# Altium PCB KASLI-DIOT-CPU.PcbDoc (part 5 of 5)
Units mm, origin at the board's own origin, x right, y up, seen from the top; angles counter-clockwise.
Board outline 123.3 x 102 mm, 4 copper layers (Top Layer, Layer 1, Layer 2, Bottom Layer), stack 1.571 mm thick; 359 components, 345 nets, 1634 pads, 949 vias.
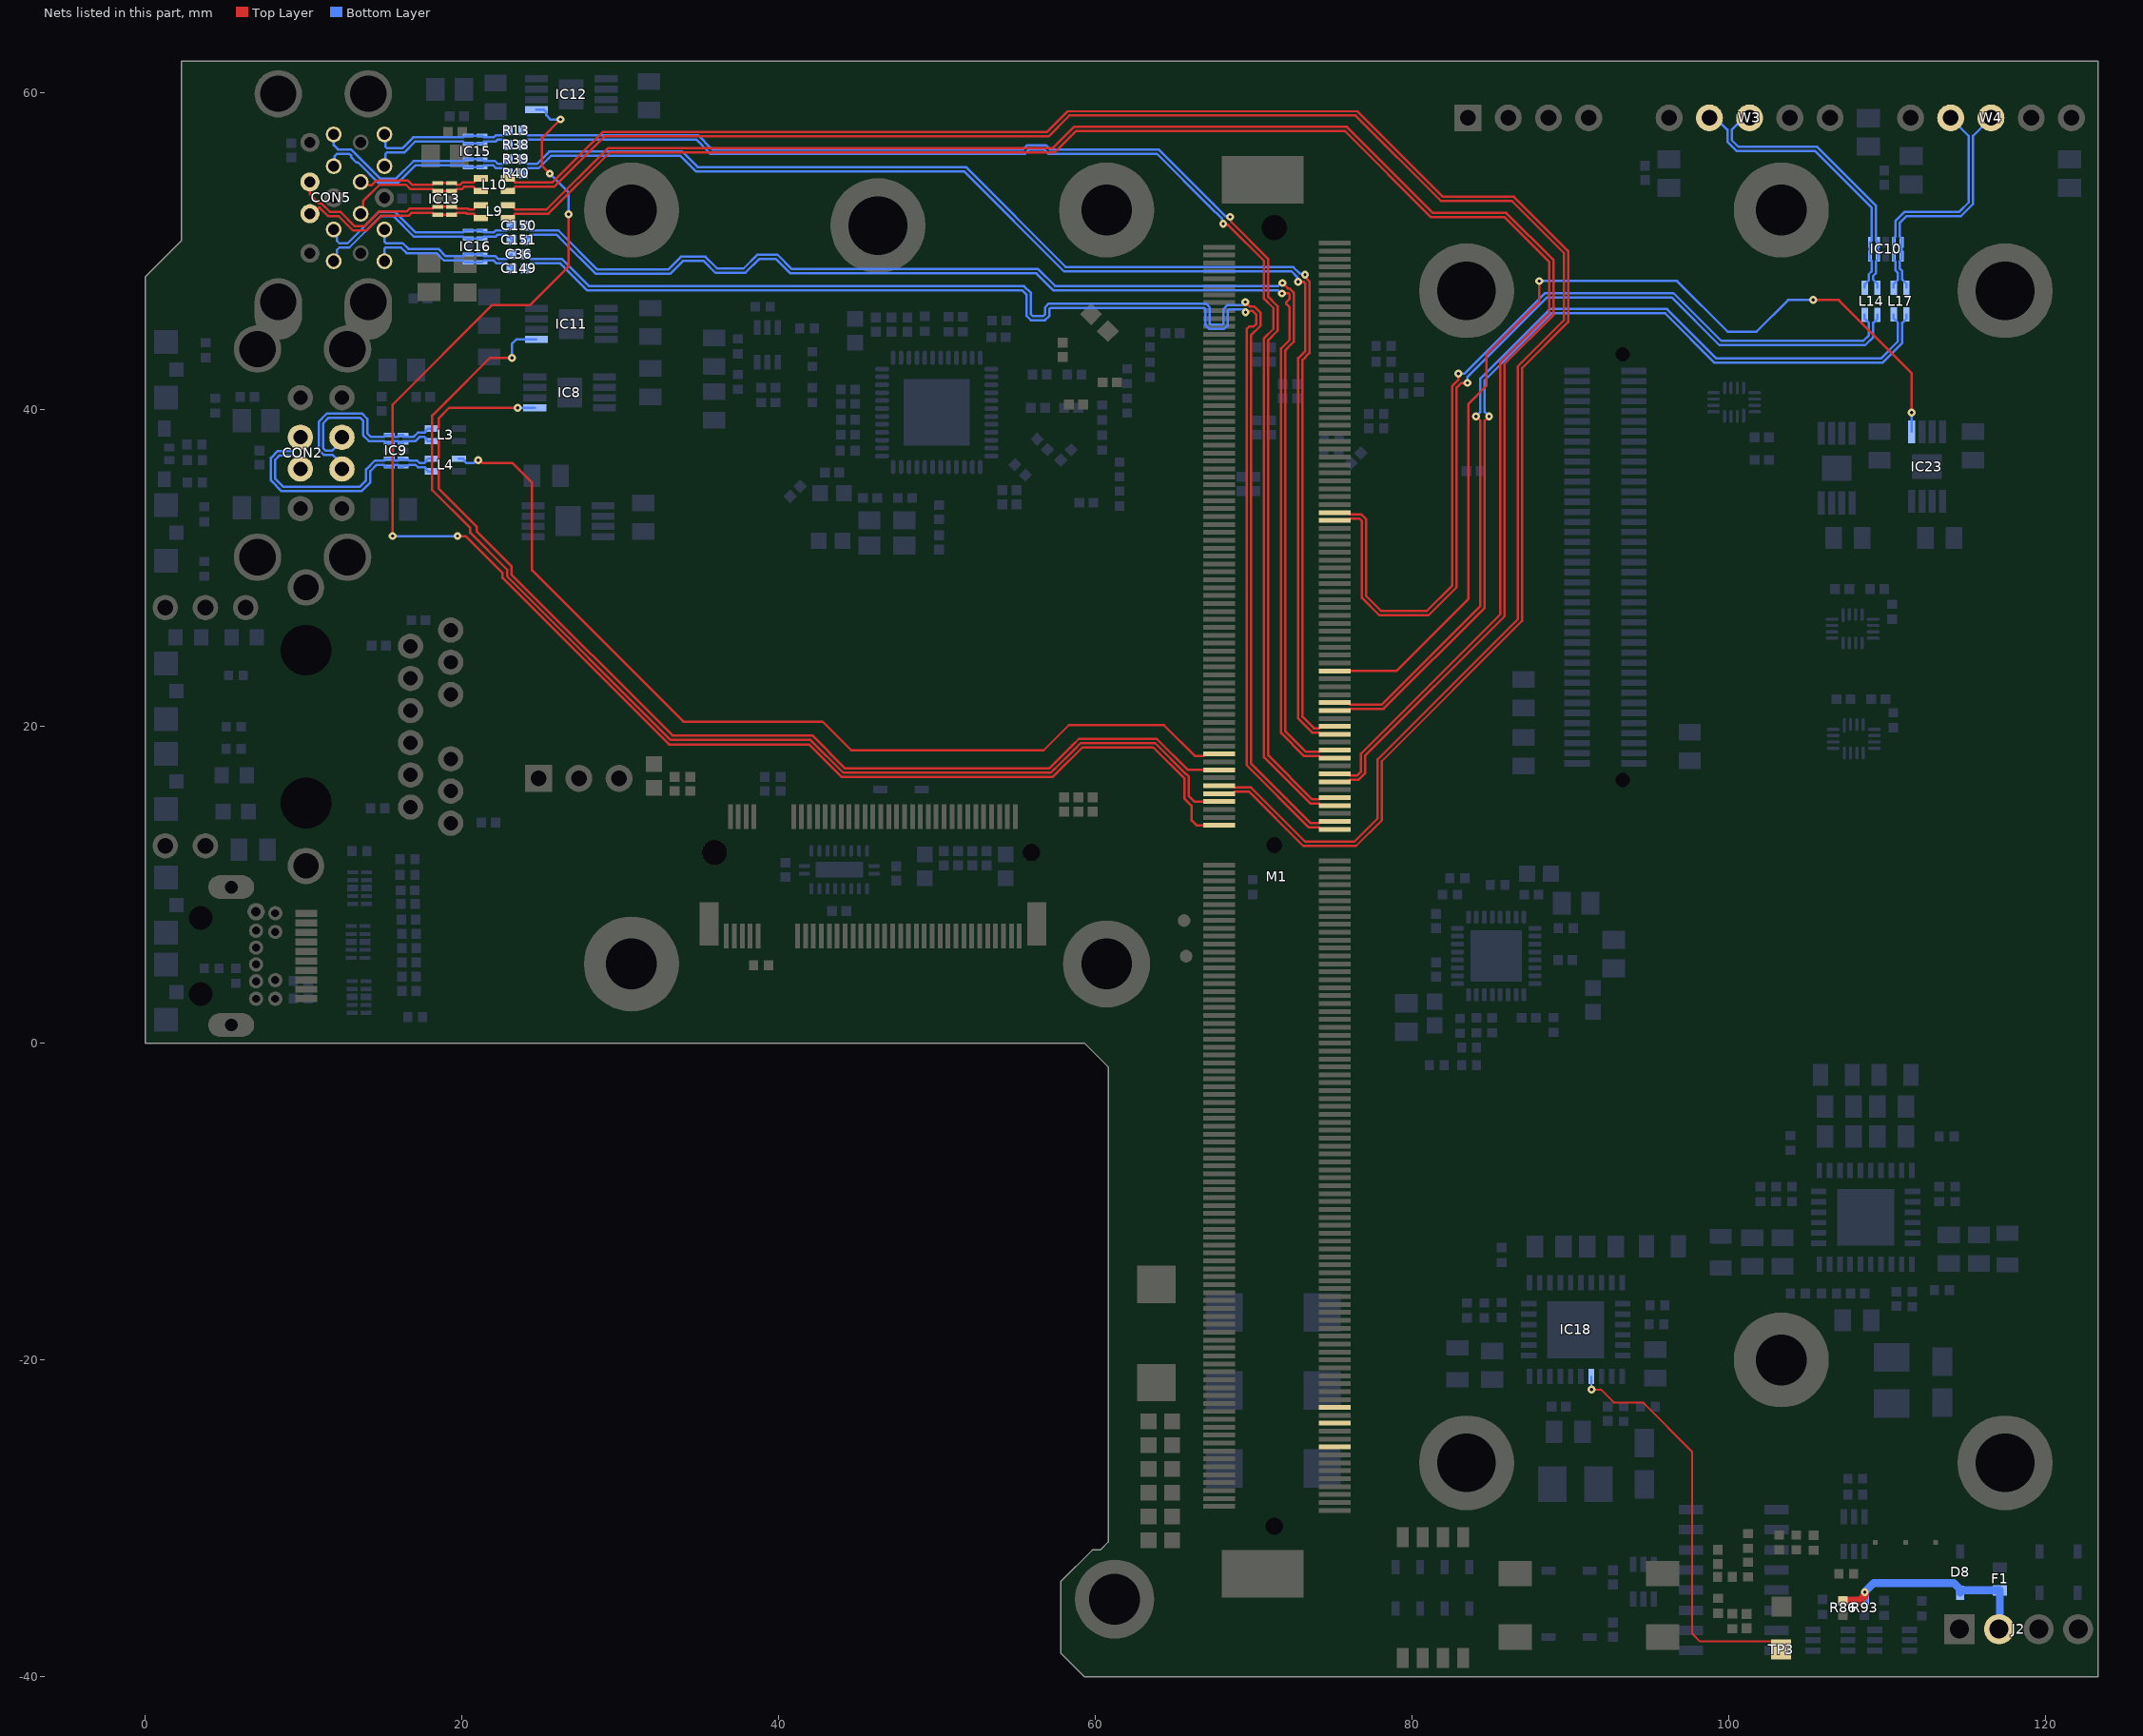
[diagram p7: the nets of this part, all layers, seen from the top]

## Via types
v1: diameter 0.5, hole 0.2, Top Layer to Bottom Layer, tented both sides, 514 vias
v2: diameter 0.5, hole 0.25, Top Layer to Bottom Layer, tented both sides, 262 vias
v3: diameter 0.5, hole 0.25, Top Layer to Bottom Layer, 130 vias
v4: diameter 0.5, hole 0.2, Top Layer to Bottom Layer, 43 vias

## Nets (pads, with @x,y where several pads share a name; then routed paths per layer and width w, separated by ;. In a path a pad name is that pad's centre, name@x,y a point inside that pad or via, vN(x,y) a via of type N, cw(c..) or ccw(c..) an arc to the next point about the centre after c; other vN are vias at no path point) (continued)
USB_1_OCn: IC8.5 M1.P67 | length 69.5
  Top Layer w0.15: v1(23.52,40.117) 19.191,40.117 18.52,39.446 18.52,35.017 20.92,32.617 20.92,32.317 23.12,30.117 23.12,29.594 33.288,19.427 42.11,19.427 44.196,17.341 57.066,17.341 58.542,18.817 58.556,18.817 58.947,19.208 63.871,19.208 65.829,17.25 M1.P67@67.8,17.25
  Bottom Layer w0.15: v1(23.52,40.117) 24.583,40.117 IC8.5@24.6,40.1
USB_1_P: L4.3 M1.P65 | length 60.5
  Top Layer w0.15: v1(21.02,36.812) 21.108,36.812 21.283,36.637 23.162,36.637 24.42,35.378 24.42,29.852 33.977,20.295 42.767,20.295 44.57,18.491 56.729,18.491 58.318,20.08 64.317,20.08 66.262,18.135 ; 66.27,18.135 66.835,18.135 66.95,18.25 M1.P65@67.8,18.25
  Bottom Layer w0.15: L4.3@19.8,36.9 20.05,36.9 20.175,36.775 20.175,36.723 20.263,36.635 20.445,36.635 20.447,36.637 20.757,36.637 20.932,36.812 v1(21.02,36.812)
USB_2_N: L10.2 M1.P70 | length 125.8
  Top Layer w0.15: L10.2@22.9,54.6 23.15,54.6 23.275,54.475 23.275,54.423 23.363,54.335 25.701,54.335 28.882,57.517 56.92,57.517 58.235,58.832 76.534,58.832 81.926,53.439 86.412,53.439 89.84,50.012 89.84,45.523 86.938,42.621 86.938,26.662 78.075,17.8 78.075,14.072 76.458,12.455 73.12,12.455 69.71,15.865 68.765,15.865 68.65,15.75 M1.P70@67.8,15.75
USB_2_OCn: IC11.5 M1.P71 | length 74.3
  Top Layer w0.15: v1(23.147,43.264) 21.767,43.264 19.02,40.517 18.12,39.617 18.12,34.917 20.52,32.517 20.52,32.224 22.845,29.899 22.845,29.481 33.179,19.146 42.009,19.146 44.084,17.071 57.178,17.071 57.439,17.332 57.446,17.332 58.656,18.542 58.663,18.542 59.059,18.938 63.759,18.938 65.717,16.98 65.75,16.98 65.89,16.84 65.89,15.597 66.237,15.25 M1.P71@67.8,15.25
  Bottom Layer w0.15: v1(23.147,43.264) 23.147,44.144 23.428,44.425 IC11.5@24.7,44.425
USB_2_P: L10.1 M1.P69 | length 124.9
  Top Layer w0.15: L10.1@22.9,53.8 23.15,53.8 23.275,53.925 23.275,53.977 23.363,54.065 25.812,54.065 28.994,57.247 57.032,57.247 58.347,58.562 76.422,58.562 81.815,53.169 86.301,53.169 89.57,49.9 89.57,45.635 86.668,42.733 86.668,26.774 77.805,17.911 77.805,14.184 76.347,12.725 73.232,12.725 69.822,16.135 68.765,16.135 68.65,16.25 M1.P69@67.8,16.25
USB_2_RX_N: C149.1 M1.S75 | length 87.8
  Top Layer w0.15: v1(69.478,46.155) 69.478,46.072 69.5,46.05 69.573,46.05 69.773,46.25 69.897,46.25 70.155,45.992 70.155,45.417 69.983,45.244 69.711,45.244 69.536,45.069 69.536,17.557 73.478,13.615 74.135,13.615 74.25,13.5 M1.S75@75.1,13.5
  Bottom Layer w0.15: C149.1@24.03,48.917 24.34,49.227 26.21,49.227 26.424,49.013 27.915,47.522 55.381,47.522 55.65,47.253 55.65,45.905 55.917,45.638 56.814,45.638 57.075,45.899 57.075,46.333 57.163,46.421 66.862,46.421 66.95,46.333 66.95,45.327 67.196,45.081 68.11,45.081 68.356,45.327 68.356,46.243 68.444,46.331 69.302,46.331 v1(69.478,46.155)
USB_2_RX_P: C36.1 M1.S74 | length 87.7
  Top Layer w0.15: v1(69.466,46.795) 69.466,46.6 69.663,46.6 69.742,46.52 70.009,46.52 70.425,46.104 70.425,45.305 69.806,44.686 69.806,17.669 73.59,13.885 74.135,13.885 74.25,14 M1.S74@75.1,14
  Bottom Layer w0.15: C36.1@24.03,49.817 24.265,49.582 24.265,49.572 24.34,49.497 26.322,49.497 28.027,47.792 55.493,47.792 55.92,47.365 55.92,46.017 56.029,45.908 56.702,45.908 56.805,46.011 56.805,46.445 57.051,46.691 66.974,46.691 67.22,46.445 67.22,45.439 67.308,45.351 67.998,45.351 68.086,45.439 68.086,46.355 68.332,46.601 69.38,46.601 69.466,46.687 v1(69.466,46.795)
USB_2_TX_N: M1.S72 R38.1 | length 88
  Top Layer w0.15: v1(68.063,51.724) 68.125,51.662 68.372,51.662 70.644,49.39 70.644,46.999 71.23,46.413 71.23,45.094 70.64,44.503 70.64,18.053 73.578,15.115 74.135,15.115 74.25,15 M1.S72@75.1,15
  Bottom Layer w0.15: R38.1@23.86,56.717 23.86,56.737 24.155,57.032 34.818,57.032 35.588,56.262 35.691,56.159 55.544,56.159 55.807,56.422 56.754,56.422 57.017,56.159 63.875,56.159 67.168,52.867 68.001,52.034 68.001,51.786 v1(68.063,51.724)
USB_2_TX_P: M1.S71 R13.1 | length 88
  Top Layer w0.15: v1(68.501,52.163) 68.563,52.1 68.563,51.853 70.914,49.502 70.914,47.111 71.5,46.525 71.5,44.982 70.91,44.392 70.91,18.165 73.69,15.385 74.135,15.385 74.25,15.5 M1.S71@75.1,15.5
  Bottom Layer w0.15: R13.1@23.86,57.617 23.86,57.597 24.155,57.302 34.93,57.302 35.7,56.532 ; 35.7,56.532 35.803,56.429 55.432,56.429 55.695,56.692 56.866,56.692 57.128,56.429 63.987,56.429 67.438,52.978 68.191,52.225 68.439,52.225 v1(68.501,52.163)
USB_3_N: L9.2 M1.S69 | length 111.3
  Top Layer w0.15: L9.2@22.9,52.9 23.15,52.9 23.275,52.775 23.275,52.723 23.363,52.635 25.347,52.635 29.229,56.517 57.32,56.517 58.646,57.843 75.877,57.843 81.306,52.414 85.939,52.414 88.93,49.423 88.93,45.989 85.826,42.884 85.826,26.952 77.039,18.166 77.039,17.053 76.601,16.615 76.065,16.615 75.95,16.5 M1.S69@75.1,16.5
USB_3_OCn: IC12.5 M1.P74 | length 98.1
  Top Layer w0.15: v4(15.62,32.017) 15.62,40.317 21.89,46.587 24.29,46.587 26.721,49.017 v4(26.721,52.335) ; v1(19.72,32.017) 20.22,32.017 22.57,29.667 22.57,29.367 33.079,18.857 41.916,18.857 43.972,16.801 57.29,16.801 57.551,17.062 57.565,17.062 59.171,18.668 63.647,18.668 65.62,16.695 65.62,15.417 66.07,14.967 66.07,14.056 66.376,13.75 M1.P74@67.8,13.75 ; v4(25.542,54.896) 25.057,55.381 25.057,57.154 v4(26.22,58.317)
  Bottom Layer w0.15: v4(15.62,32.017) v1(19.72,32.017) ; IC12.5@24.7,58.925 25.173,58.925 25.323,58.775 25.323,58.579 25.586,58.317 v4(26.22,58.317) ; v4(25.542,54.896) 26.721,53.717 v4(26.721,52.335)
USB_3_P: L9.1 M1.S68 | length 110.4
  Top Layer w0.15: L9.1@22.9,52.1 23.15,52.1 23.275,52.225 23.275,52.277 23.363,52.365 25.459,52.365 29.341,56.247 57.432,56.247 58.758,57.573 75.765,57.573 81.194,52.144 85.828,52.144 88.66,49.312 88.66,46.101 85.556,42.996 85.556,27.064 76.769,18.278 76.769,17.165 76.489,16.885 76.065,16.885 75.95,17 M1.S68@75.1,17
USB_3_RX_N: C151.1 M1.S66 | length 83.4
  Top Layer w0.15: v1(71.781,47.334) 72.181,47.334 72.255,47.261 72.255,46.99 72.052,46.788 72.052,46.663 72.255,46.461 72.255,44.402 71.715,43.861 71.715,19.573 73.173,18.115 74.135,18.115 74.25,18 M1.S66@75.1,18
  Bottom Layer w0.15: C151.1@24.03,50.717 24.34,51.027 25.985,51.027 26.363,50.648 28.367,48.644 28.446,48.565 33.129,48.565 33.939,49.375 35.261,49.375 35.999,48.638 37.894,48.638 38.778,49.522 39.801,49.522 40.726,48.597 56.269,48.597 57.257,47.609 57.336,47.53 64.597,47.53 71.518,47.53 71.714,47.334 v1(71.781,47.334)
USB_3_RX_P: C150.1 M1.S65 | length 83.4
  Top Layer w0.15: v1(71.793,47.996) 72.138,47.651 72.247,47.651 72.525,47.372 72.525,44.29 72.366,44.131 71.985,43.75 71.985,19.685 73.285,18.385 74.135,18.385 74.25,18.5 M1.S65@75.1,18.5
  Bottom Layer w0.15: C150.1@24.03,51.617 24.265,51.382 24.265,51.372 24.34,51.297 26.097,51.297 28.558,48.835 33.018,48.835 33.827,49.645 35.373,49.645 36.111,48.908 37.782,48.908 38.666,49.792 39.912,49.792 40.838,48.867 56.381,48.867 57.448,47.8 64.485,47.8 71.53,47.8 71.726,47.996 v1(71.793,47.996)
USB_3_TX_N: M1.S63 R40.1 | length 83.7
  Top Layer w0.15: v1(72.787,48.071) 72.804,48.054 73.142,48.054 73.23,47.966 73.23,43.678 72.803,43.251 72.803,20.49 73.678,19.615 74.135,19.615 74.25,19.5 M1.S63@75.1,19.5
  Bottom Layer w0.15: R40.1@23.86,54.917 23.86,54.937 24.155,55.232 24.835,55.232 25.621,56.017 33.794,56.017 34.77,55.042 51.697,55.042 58.009,48.729 72.376,48.729 72.725,48.38 72.725,48.133 v1(72.787,48.071)
USB_3_TX_P: M1.S62 R39.1 | length 83.6
  Top Layer w0.15: v1(73.226,48.509) 73.226,48.414 73.339,48.302 73.339,48.25 73.5,48.089 73.5,43.567 73.073,43.14 73.073,20.602 73.79,19.885 74.135,19.885 74.25,20 M1.S62@75.1,20
  Bottom Layer w0.15: R39.1@23.86,55.817 23.86,55.797 24.155,55.502 24.723,55.502 25.509,56.287 33.906,56.287 33.985,56.208 34.882,55.312 51.808,55.312 58.121,48.999 72.488,48.999 72.916,48.571 73.163,48.571 v1(73.226,48.509)
USB_4_N: L14.3 M1.S36 | length 58.3
  Top Layer w0.15: M1.S36@75.1,33 75.979,33 76.101,33.122 76.665,33.122 76.829,32.957 76.829,28.107 77.92,27.016 81.027,27.016 82.8,28.789 82.8,41.387 83.098,41.684 v1(83.486,41.684)
  Bottom Layer w0.15: v1(83.486,41.684) 83.486,42.073 88.502,47.089 96.374,47.089 99.391,44.072 108.597,44.072 109.105,44.58 109.105,45.473 109.37,45.738 L14.3@109.37,45.992
USB_4_P: L14.4 M1.S35 | length 57.9
  Top Layer w0.15: M1.S35@75.1,33.5 75.972,33.5 76.08,33.392 76.777,33.392 77.02,33.148 77.099,33.069 77.099,28.219 78.032,27.286 80.915,27.286 82.53,28.901 82.53,41.498 82.907,41.875 v1(82.907,42.264)
  Bottom Layer w0.15: v1(82.907,42.264) 83.296,42.264 88.39,47.359 96.486,47.359 99.503,44.342 108.485,44.342 108.835,44.692 108.835,45.474 108.57,45.739 L14.4@108.57,45.992
USB_5_N: L17.3 M1.S60 | length 58.6
  Top Layer w0.15: M1.S60@75.1,21 75.953,21 76.068,21.115 78.193,21.115 84.571,27.493 84.571,39.299 v1(84.846,39.574)
  Bottom Layer w0.15: v1(84.846,39.574) 84.571,39.849 84.571,41.85 88.796,46.075 95.976,46.075 99.093,42.957 109.692,42.957 110.935,44.2 110.935,45.481 111.2,45.746 L17.3@111.2,46
USB_5_OCn: IC23.5 M1.S55 | length 63.5
  Top Layer w0.15: M1.S55@75.1,23.5 79.003,23.5 83.529,28.025 83.529,40.344 84.674,41.489 84.674,43.47 88.02,46.817 v1(88.02,48.117) ; v1(105.32,46.917) 106.92,46.917 111.52,42.317 v1(111.52,39.817)
  Bottom Layer w0.15: v1(88.02,48.117) 96.72,48.117 99.92,44.917 101.727,44.917 103.727,46.917 v1(105.32,46.917) ; v1(111.52,39.817) 111.525,39.812 IC23.5@111.525,38.6
USB_5_P: L17.4 M1.S59 | length 58.1
  Top Layer w0.15: M1.S59@75.1,21.5 75.962,21.5 76.077,21.385 78.081,21.385 84.301,27.605 84.301,39.299 v1(84.026,39.574)
  Bottom Layer w0.15: v1(84.026,39.574) 84.301,39.849 84.301,41.962 88.684,46.345 96.088,46.345 99.205,43.227 109.581,43.227 110.665,44.312 110.665,45.482 110.4,45.747 L17.4@110.4,46
VCC_FAN: D8.1 F1.2 J2.2 R86.2 R93.2 | length 13.9
  Top Layer w0.5: R86.2@107.195,-35.193 108.277,-35.193 108.57,-34.9 v1(108.57,-34.658)
  Bottom Layer w0.5: R93.2@108.545,-35.193 108.57,-35.168 v1(108.57,-34.658) 109.145,-34.083 114.183,-34.083 114.6,-34.5 D8.1@114.6,-34.7 ; D8.1@114.6,-34.55 F1.2@117.1,-34.55 117.1,-36.95 J2.2@117.05,-37
VCC_RTC: M1.S147
VIN_PWRBAD#_1V8: IC18.26 TP3.1 | length 26.3
  Top Layer w0.12: v1(91.319,-21.876) 91.913,-21.876 92.72,-22.683 94.557,-22.683 97.67,-25.796 97.67,-37.283 98.145,-37.758 102.77,-37.758 TP3.1@103.295,-38.283
  Bottom Layer w0.12: IC18.26@91.3,-21.05 91.309,-21.059 91.309,-21.867 v1(91.319,-21.876)
VIN_PWRBAD#_VIN: M1.S150
WDT_OUT#_1V8: M1.S145
XUSB_0_N: CON2.A2 IC9.4 IC9.7 L3.1 | length 11.9
  Bottom Layer w0.15: CON2.A2@12.42,38.25 12.42,38.017 11.82,37.417 11.378,37.417 11.22,37.575 11.22,39.117 11.588,39.485 13.57,39.485 13.75,39.305 13.75,38.381 14.116,38.015 15.067,38.015 15.182,37.9 IC9.7@15.4,37.9 15.618,37.9 15.702,37.984 15.702,38.015 15.968,38.015 15.968,37.984 16.052,37.9 IC9.4@16.27,37.9 ; IC9.4@16.27,38.017 17.072,38.017 17.32,38.265 17.637,38.265 17.725,38.177 17.725,38.125 17.85,38 L3.1@18.1,38
XUSB_0_P: CON2.A3 IC9.5 IC9.6 L3.2 | length 12.9
  Bottom Layer w0.15: CON2.A3@12.42,36.25 12.42,36.547 11.82,37.147 11.266,37.147 10.95,37.463 10.95,39.228 11.477,39.755 13.682,39.755 14.02,39.417 14.02,38.493 14.228,38.285 15.067,38.285 15.182,38.4 IC9.6@15.4,38.4 15.618,38.4 15.702,38.316 15.702,38.285 15.968,38.285 15.968,38.316 16.052,38.4 IC9.5@16.27,38.4 ; IC9.5@16.27,38.287 16.96,38.287 17.208,38.535 17.637,38.535 17.725,38.623 17.725,38.675 17.85,38.8 L3.2@18.1,38.8
XUSB_1_N: CON2.B2 IC9.1 IC9.10 L4.1 | length 16
  Bottom Layer w0.15: CON2.B2@9.8,38.25 9.8,37.858 9.325,37.383 8.368,37.383 7.935,36.95 7.935,35.52 8.608,34.847 13.65,34.847 14.22,35.417 14.22,36.117 14.618,36.515 15.067,36.515 15.182,36.4 IC9.10@15.4,36.4 15.618,36.4 15.702,36.484 15.702,36.515 15.968,36.515 15.968,36.484 16.052,36.4 IC9.1@16.27,36.4 16.32,36.449 16.595,36.449 16.654,36.508 17.065,36.508 17.208,36.365 17.637,36.365 17.725,36.277 17.725,36.225 17.85,36.1 L4.1@18.1,36.1
XUSB_1_P: CON2.B3 IC9.2 IC9.9 L4.2 | length 15.1
  Bottom Layer w0.15: CON2.B3@9.8,36.25 9.8,36.642 9.33,37.113 8.479,37.113 8.205,36.838 8.205,35.632 8.72,35.117 13.538,35.117 13.95,35.528 13.95,36.228 14.507,36.785 15.067,36.785 15.182,36.9 IC9.9@15.4,36.9 15.618,36.9 15.702,36.816 15.702,36.785 15.968,36.785 15.968,36.816 16.052,36.9 IC9.2@16.27,36.9 16.32,36.85 16.595,36.85 16.668,36.778 17.177,36.778 17.32,36.635 17.637,36.635 17.725,36.723 17.725,36.775 17.85,36.9 L4.2@18.1,36.9
XUSB_2_N: CON5.11 IC13.5 IC13.6 L10.3 | length 8.2
  Top Layer w0.15: CON5.11@13.6,54.37 13.782,54.188 14.125,54.188 14.163,54.15 14.287,54.15 14.613,54.476 16.574,54.476 16.865,54.185 18.131,54.185 18.246,54.3 IC13.5@18.465,54.3 IC13.6@19.335,54.3 19.554,54.3 19.669,54.185 19.873,54.185 20.023,54.335 20.737,54.335 20.825,54.423 20.825,54.475 20.95,54.6 L10.3@21.2,54.6
XUSB_2_P: CON5.12 IC13.4 IC13.7 L10.4 | length 9.1
  Top Layer w0.15: CON5.12@13.6,52.37 13.745,52.515 13.745,53.145 14.806,54.206 16.462,54.206 16.753,53.915 18.131,53.915 18.246,53.8 IC13.4@18.465,53.8 IC13.7@19.335,53.8 19.554,53.8 19.669,53.915 19.985,53.915 20.135,54.065 20.737,54.065 20.825,53.977 20.825,53.925 20.95,53.8 L10.4@21.2,53.8
XUSB_2_RX_N: C149.2 CON5.14 IC16.1 IC16.10 | length 9.5
  Bottom Layer w0.15: CON5.14@15.1,49.37 15.1,50.147 15.188,50.235 15.418,50.235 15.423,50.23 16.151,50.23 16.504,49.877 18.398,49.877 18.86,49.415 20.067,49.415 20.182,49.3 IC16.10@20.4,49.3 IC16.1@21.27,49.3 21.385,49.415 22.008,49.415 22.191,49.232 22.815,49.232 C149.2@23.13,48.917
XUSB_2_RX_P: C36.2 CON5.15 IC16.2 IC16.9 | length 9.5
  Bottom Layer w0.15: CON5.15@15.1,51.37 15.1,50.593 15.188,50.505 15.529,50.505 15.534,50.5 16.263,50.5 16.616,50.147 18.51,50.147 18.972,49.685 20.067,49.685 20.182,49.8 IC16.9@20.4,49.8 IC16.2@21.27,49.8 21.385,49.685 22.12,49.685 22.303,49.502 22.815,49.502 C36.2@23.13,49.817
XUSB_2_TX_N: CON5.17 IC15.2 IC15.9 R38.2 | length 9.1
  Bottom Layer w0.15: CON5.17@15.1,55.37 15.17,55.44 15.17,56.142 15.258,56.23 16.348,56.23 17.032,56.915 19.142,56.915 20.067,56.915 20.182,56.8 IC15.2@20.4,56.8 IC15.9@21.27,56.8 21.387,56.917 22.12,56.917 22.235,57.032 22.605,57.032 R38.2@22.92,56.717
XUSB_2_TX_P: CON5.18 IC15.1 IC15.10 R13.2 | length 9.2
  Bottom Layer w0.15: CON5.18@15.1,57.37 15.163,57.307 15.163,56.595 15.258,56.5 16.236,56.5 16.921,57.185 19.031,57.185 20.067,57.185 20.182,57.3 IC15.1@20.4,57.3 IC15.10@21.27,57.3 21.327,57.243 21.383,57.187 22.008,57.187 22.123,57.302 22.605,57.302 R13.2@22.92,57.617
XUSB_3_N: CON5.2 IC13.2 IC13.9 L9.3 | length 13.1
  Top Layer w0.15: CON5.2@10.4,54.37 10.4,53.593 10.975,53.017 11.128,53.017 11.662,52.483 12.331,52.483 13.239,51.575 13.834,51.575 14.759,52.5 14.798,52.5 16.503,52.5 16.688,52.685 18.131,52.685 18.246,52.8 IC13.2@18.465,52.8 IC13.9@19.335,52.8 19.554,52.8 19.669,52.685 20.378,52.685 20.428,52.635 20.737,52.635 20.825,52.723 20.825,52.775 20.95,52.9 L9.3@21.2,52.9
XUSB_3_P: CON5.3 IC13.1 IC13.10 L9.4 | length 12.3
  Top Layer w0.15: CON5.3@10.4,52.37 10.585,52.37 10.963,52.747 11.016,52.747 11.551,52.213 12.219,52.213 13.127,51.305 13.946,51.305 14.871,52.23 16.615,52.23 16.8,52.415 18.131,52.415 18.246,52.3 IC13.1@18.465,52.3 IC13.10@19.335,52.3 19.554,52.3 19.669,52.415 20.266,52.415 20.316,52.365 20.737,52.365 20.825,52.277 20.825,52.225 20.95,52.1 L9.4@21.2,52.1
XUSB_3_RX_N: C151.2 CON5.5 IC16.4 IC16.7 | length 13.5
  Bottom Layer w0.15: CON5.5@11.9,49.37 12.101,49.571 12.101,50.073 12.258,50.23 12.887,50.23 14.857,52.2 15.684,52.2 16.969,50.915 20.067,50.915 20.182,50.8 IC16.7@20.4,50.8 IC16.4@21.27,50.8 21.385,50.915 22.12,50.915 22.237,51.032 22.815,51.032 C151.2@23.13,50.717
XUSB_3_RX_P: C150.2 CON5.6 IC16.5 IC16.6 | length 13.5
  Bottom Layer w0.15: CON5.6@11.9,51.37 12.101,51.169 12.101,50.657 12.258,50.5 12.775,50.5 14.745,52.47 15.796,52.47 17.081,51.185 20.067,51.185 20.182,51.3 IC16.6@20.4,51.3 IC16.5@21.27,51.3 21.385,51.185 22.008,51.185 22.125,51.302 22.815,51.302 C150.2@23.13,51.617
XUSB_3_TX_N: CON5.8 IC15.5 IC15.6 R40.2 | length 13.3
  Bottom Layer w0.15: CON5.8@11.9,55.37 11.967,55.437 11.967,56.007 12.115,56.156 12.879,56.156 12.993,56.041 12.993,55.942 13.331,55.604 13.43,55.604 14.735,54.3 15.934,54.3 17.049,55.415 19.342,55.415 20.067,55.415 20.182,55.3 IC15.5@20.4,55.3 IC15.6@21.27,55.3 21.392,55.422 21.972,55.422 22.162,55.232 22.605,55.232 R40.2@22.92,54.917
XUSB_3_TX_P: CON5.9 IC15.4 IC15.7 R39.2 | length 13.3
  Bottom Layer w0.15: CON5.9@11.9,57.37 11.9,56.697 12.171,56.426 12.991,56.426 14.847,54.569 15.822,54.569 16.938,55.685 19.231,55.685 20.067,55.685 20.182,55.8 IC15.7@21.27,55.8 21.378,55.692 22.084,55.692 22.274,55.502 22.605,55.502 R39.2@22.92,55.817
XUSB_4_N: IC10.1 IC10.10 L14.1 W3.2 | length 18.4
  Bottom Layer w0.15: W3.2@98.76,58.417 99.15,58.417 99.9,57.667 99.9,56.905 100.488,56.317 105.445,56.317 109.015,52.747 109.015,50.685 IC10.10@108.9,50.57 IC10.1@108.9,49.7 108.9,49.482 109.013,49.369 109.013,48.735 108.825,48.547 108.825,48.164 108.57,47.909 L14.1@108.57,47.692
XUSB_4_P: IC10.2 IC10.9 L14.2 W3.3 | length 18.4
  Bottom Layer w0.15: W3.3@101.3,58.417 100.92,58.417 100.17,57.667 100.17,57.017 100.6,56.587 105.557,56.587 109.285,52.858 109.285,50.685 IC10.9@109.4,50.57 IC10.2@109.4,49.7 109.4,49.482 109.283,49.365 109.283,48.623 109.095,48.435 109.095,48.203 109.37,47.928 L14.2@109.37,47.692
XUSB_5_N: IC10.4 IC10.7 L17.1 W4.2 | length 15.4
  Bottom Layer w0.15: L17.1@110.4,47.7 110.4,47.932 110.664,48.196 110.664,48.631 110.515,48.78 110.515,49.357 110.4,49.472 IC10.4@110.4,49.7 IC10.7@110.4,50.57 110.4,50.823 110.501,50.923 110.501,51.897 111.011,52.408 111.09,52.487 114.54,52.487 115.135,53.082 115.135,57.282 W4.2@114,58.417
XUSB_5_P: IC10.5 IC10.6 L17.2 W4.3 | length 15.4
  Bottom Layer w0.15: L17.2@111.2,47.7 111.2,47.938 110.934,48.204 110.934,48.743 110.785,48.892 110.785,49.368 110.9,49.483 IC10.5@110.9,49.7 IC10.6@110.9,50.57 110.9,50.795 110.771,50.925 110.771,51.786 111.202,52.217 114.652,52.217 115.405,52.97 115.405,57.282 W4.3@116.54,58.417
pads on no net: *. *.5 *.6 *.7 *.8 *.11 *.13 *.17 *.19 *.20 *.22 *.23 *.24 *.25 *.26 *.28 *.30 *.32 *.34 *.36 *.38 *.40 *.42 *.44 *.46 *.48 *.56 *.58 *.67 *.68 *.76 *.77 CON1.P1 CON1.P2 CON6.20 CON6.21 IC17.22 IC17.23 IC17.25 IC17.26 IC17.27 IC17.28 IC17.29 IC17.32 IC17.33 IC17.34 IC17.37 IC17.38 IC17.40 IC19.11 IC19.12 IC20.4 IC20.5 IC22.2 IC22.3 J1.15 J1.21 J1.23 J1.27 J1.29 J1.33 J1.35 J1.37 J1.39 J1.43 J1.45 J1.47 J1.49 J1.57 J1.59 J1.61 J1.74 J1.76 J1.P1 J1.P2 LD1.3 LD2.3 LD3.3 LD5.3 LD6.3 LD7.3 M1.HX M1.P3 M1.P4 M1.P5 M1.P6 M1.P7 M1.P8 M1.P10 M1.P11 M1.P12 M1.P13 M1.P14 M1.P16 M1.P17 M1.P31 M1.P33 M1.P34 M1.P35 M1.P36 M1.P37 M1.P39 M1.P40 M1.P41 M1.P42 M1.P43 M1.P44 M1.P45 M1.P46 M1.P54 M1.P55 M1.P56 M1.P57 M1.P58 M1.P63 M1.P64 M1.P116 M1.P117 M1.P118 M1.P119 M1.P134 M1.P135 M1.P140 M1.P141 M1.P143 M1.P144 M1.P145 M1.P146 M1.S1 M1.S2 M1.S4 M1.S5 M1.S6 M1.S7 M1.S8 M1.S9 M1.S11 M1.S12 M1.S14 M1.S15 M1.S37 M1.S38 M1.S39 M1.S40 M1.S41 M1.S42 M1.S43 M1.S44 M1.S45 M1.S46 M1.S50 M1.S51 M1.S52 M1.S53 M1.S56 M1.S57 M1.S58 M1.S104 M1.S107 M1.S108 M1.S109 M1.S111 M1.S112 M1.S113 M1.S114 M1.S115 M1.S116 M1.S117 M1.S118 M1.S120 M1.S121 M1.S122 M1.S123 M1.S125 M1.S126 M1.S127 M1.S128 M1.S129 M1.S131 M1.S132 M1.S133 M1.S134 M1.S135 M1.S137 M1.S138 M1.S139 M1.S140 M1.S141 M1.S142 M1.S144 M1.S157 M1.SH1 M1.SH2

## Polygon pours and split planes (outlines as drawn)
GND on Layer 1 "GND_L02_P182" (solid, pour order 182): 0.925,0.8 59.587,0.8 61.51,-1.123 61.51,-31.983 58.9,-34.593 58.9,-37.9 60.153,-39.153 122.4,-39.153 122.4,61.064 3.26,61.064 3.26,50.267 0.925,47.932
P2V5 on Layer 1 "P2V5_L02_P177" (solid, pour order 177): 58.72,38.517 58.72,38.017 58.02,37.317 56.72,38.617 56.72,40.517 59.02,42.817 59.02,44.017 58.02,45.017 58.02,45.217 58.72,45.917 59.02,45.917 60.62,44.317 60.62,42.317 58.22,39.917 58.22,39.017
P1V8 on Layer 1 "P1V8_L02_P176" (solid, pour order 176): 53.62,46.517 52.72,46.517 52.52,46.317 52.52,45.717 52.72,45.517 52.72,34.917 52.62,34.817 52.62,33.817 52.82,33.617 53.62,33.617 53.82,33.817 53.82,46.317
P1V1 on Layer 1 "Layer 1-P1V1" (solid, pour order 162): 26 vertices, not listed, extent 39.02,31.017 62.52,48.717
P3V3 on Layer 1 "Layer 1-P3V3" (solid, pour order 147): 38 vertices, not listed, extent 12.42,-17.333 82.42,31.717
NetC42_2 on Layer 1 "NETC42_2_L02_P143" (solid, pour order 143): 13.134,50.33 12.72,49.917 12.72,48.61 13.113,48.217 16.92,48.217 17.52,48.817 17.52,50.217 17.406,50.33 16.403,50.33
NetC41_1 on Layer 1 "NETC41_1_L02_P141" (solid, pour order 141): 17.82,60.617 17.42,61.017 16.42,61.017 16.12,60.717 16.12,58.717 15.72,58.317 8.92,58.317 8.32,57.717 8.32,56.117 8.72,55.717 15.92,55.717 17.82,57.617 17.82,58.217
GND on Layer 1 "Layer 1-GND" (solid, pour order 140): 79 vertices, not listed, extent 8.92,-4.583 100.92,59.917
P1V1 on Layer 1 "P1V1_L02_P077" (solid, pour order 77): 29 vertices, not listed, extent 88.178,-1.883 110.72,38.217
P1V8 on Layer 1 "P1V8_L02_P076" (solid, pour order 76): 21 vertices, not listed, extent 88.22,0.217 110.42,40.217
P5V0_SMARC on Layer 1 "P5V0_SMARC_L02_P033" (solid, pour order 33): 65.22,-23.383 65.22,-31.683 65.52,-31.983 65.92,-31.983 66.82,-31.083 66.82,-24.183 65.82,-23.183 65.42,-23.183
P12V0_KASLI on Layer 1 "Layer 1-P12V0_KASLI" (solid, pour order 32): 94.72,-31.183 95.72,-30.183 95.72,12.017 92.12,15.617 90.92,16.817 87.32,16.817 86.72,16.217 86.72,14.117 92.12,8.717 92.12,-31.083 92.22,-31.183
P5V0_SMARC on Layer 1 "P5V0_SMARC_L02_P027" (solid, pour order 27): 95.92,-10.183 95.92,-14.283 96.32,-14.683 97.42,-14.683 97.82,-14.283 97.82,-10.283 97.42,-9.883 96.22,-9.883
GND on Layer 2 "GND_L03_P181" (solid, pour order 181): 0.778,0.693 0.778,48.274 2.92,50.417 2.92,60.917 3.003,61 122.337,61 122.42,60.917 122.42,-39.083 60.083,-39.083 58.9,-37.9 58.9,-34.603 61.6,-31.903 61.6,-1.2 59.707,0.693
P3V3 on Layer 2 "Layer 2-P3V3" (solid, pour order 174): 22 vertices, not listed, extent 17.52,30.317 49.72,36.417
P1V8 on Layer 2 "Layer 2-P1V8" (solid, pour order 170): 22 vertices, not listed, extent 41.92,30.017 89.92,36.417
P1V1 on Layer 2 "Layer 2-P1V1" (solid, pour order 166): 23 vertices, not listed, extent 40.45,29.017 89.82,34.717
P5V0_USB on Layer 2 "P5V0_USB_L03_P155" (solid, pour order 155): 81.02,36.117 80.82,35.917 80.82,34.562 81.378,34.004 82.02,34.645 82.02,35.917 81.82,36.117
P1V8 on Layer 2 "P1V8_L03_P101" (solid, pour order 101): 108.12,1.517 108.12,0.517 107.82,0.217 105.52,0.217 100.52,5.217 93.32,5.217 93.12,5.417 93.12,7.117 93.32,7.317 100.82,7.317 106.32,1.817 107.82,1.817
P3V3 on Layer 2 "P3V3_L03_P091" (solid, pour order 91): 33.046,15.617 32.246,14.817 32.653,14.41 35.927,14.41 36.32,14.803 36.32,15.417 36.12,15.617 35.92,15.617
GND on Layer 2 "Layer 2-GND 1" (solid, pour order 9): 29 vertices, not listed, extent 9.32,31.117 118.42,59.917
P5V0_SMARC on Layer 2 "P5V0_SMARC_L03_P028" (solid, pour order 28): 22 vertices, not listed, extent 62.52,-32.083 97.82,-9.883
P12V0_KASLI on Layer 2 "P12V0_KASLI_L03_P018" (solid, pour order 18): 91.32,-28.183 91.32,-29.583 92.22,-30.483 94.02,-30.483 95.82,-28.683 107.12,-28.683 115.82,-19.983 115.82,-18.383 114.82,-17.383 113.32,-17.383 104.82,-25.883 93.62,-25.883
GND on Layer 2 "Layer 2-GND" (solid, pour order 10): 57 vertices, not listed, extent 2.42,-6.083 102.22,34.617
GND on Layer 2 "GND_L03_P004" (solid, pour order 4): 20 vertices, not listed, extent 61.92,16.317 81.92,31.217
GND on Layer 2 "GND_L03_P003" (solid, pour order 3): 24.62,29.017 23.02,27.417 14.92,27.417 13.42,25.917 13.42,16.617 14.82,15.217 21.12,15.217 29.72,23.817 58.52,23.817 61.92,27.217 61.92,28.317 61.22,29.017
GND on Bottom Layer "GND_L04_P200" (solid, pour order 200): 22.42,42.792 22.42,45.842 22.045,46.217 20.82,46.217 20.72,46.317 20.72,46.717 20.52,46.917 19.32,46.917 19.02,46.617 19.02,45.217 21.02,43.217 21.02,42.792
GND on Bottom Layer "GND_L04_P199" (solid, pour order 199): 109.15,-21.85 109.2,-21.8 115.237,-21.8 116.02,-22.583 116.02,-23.483 114.12,-25.383 114.12,-27.183 113.92,-27.383 110.52,-27.383 109.15,-26.013
GND on Bottom Layer "GND_L04_P197" (solid, pour order 197): 19 vertices, not listed, extent 105.855,31.2 116.92,37.325
GND on Bottom Layer "GND_L04_P196" (solid, pour order 196): 17 vertices, not listed, extent 48.72,8.017 54.82,11.527
GND on Bottom Layer "GND_L04_P192" (solid, pour order 192): 60.32,16.317 58.52,16.317 58.22,16.617 58.22,16.817 58.42,17.017 60.32,17.017 60.42,16.917 60.42,16.417
GND on Bottom Layer "GND_L04_P191" (solid, pour order 191): 40.43,16.507 38.81,16.507 38.62,16.697 38.62,17.717 38.92,18.017 40.62,18.017 40.72,17.917 40.72,16.797
GND on Bottom Layer "GND_L04_P190" (solid, pour order 190): 40 vertices, not listed, extent 25.695,32.005 32.6,46.925
GND on Bottom Layer "GND_L04_P189" (solid, pour order 189): 27.685,58.955 27.685,60.282 28.053,60.65 30.487,60.65 30.962,60.175 32.578,60.175 33.22,60.817 33.22,61.417 33.02,61.617 26.62,61.617 26.115,61.112 26.115,58.955
GND on Bottom Layer "GND_L04_P186" (solid, pour order 186): 73.02,-28.383 72.72,-28.083 72.72,-15.083 73.12,-14.683 77.12,-14.683 77.52,-15.083 77.52,-25.783 75.92,-27.383 75.92,-28.083 75.62,-28.383
GND on Bottom Layer "GND_L04_P183" (solid, pour order 183): 87.67,21.917 87.92,21.667 87.931,21.677 90.4,21.677 90.4,19.372 88.464,19.372 88.42,19.417 87.77,18.767 86.32,18.767 86.17,18.617 85.92,18.617 85.92,21.417 86.42,21.917 86.67,21.917
P3V3 on Bottom Layer "P3V3_L04_P179" (solid, pour order 179): 17.82,31.617 17.62,31.417 17.62,30.517 17.82,30.317 19.22,30.317 19.42,30.517 19.42,31.417 19.22,31.617
P1V8 on Bottom Layer "P1V8_L04_P175" (solid, pour order 175): 52.62,46.157 52.62,46.417 52.82,46.617 53.52,46.617 53.78,46.357 53.78,45.307 53.16,45.307 53.16,45.617 52.86,45.917
P1V8 on Bottom Layer "P1V8_L04_P154" (solid, pour order 154): 54.12,33.707 52.872,33.707 52.674,33.905 52.674,34.629 52.81,34.765 53.371,34.765 53.81,34.327 54.12,34.327
P1V8 on Bottom Layer "P1V8_L04_P153" (solid, pour order 153): 43.02,33.417 43.02,31.217 42.02,31.217 42.02,33.988 42.449,33.988
NetC42_2 on Bottom Layer "NETC42_2_L04_P144" (solid, pour order 144): 16.32,48.417 16.42,48.317 16.82,48.317 17.02,48.517 17.02,49.317 16.82,49.517 16.42,49.517 16.32,49.417
NetC41_1 on Bottom Layer "NETC41_1_L04_P138" (solid, pour order 138): 18.895,59.492 18.02,58.617 16.548,58.617 16.448,58.717 16.448,60.644 16.745,60.942 18.895,60.942
P5V0_USB on Bottom Layer "P5V0_USB_L04_P136" (solid, pour order 136): 31.8,58.375 35.578,58.375 35.92,58.717 35.92,60.417 35.52,60.817 33.62,60.817 33.22,60.417 33.22,60.145 31.8,58.725
NetC38_2 on Bottom Layer "NETC38_2_L04_P133" (solid, pour order 133): 18.186,51.451 18.02,51.617 18.02,54.917 18.175,55.072 19.465,55.072 19.62,54.917 19.62,51.617 19.454,51.451
NetC43_2 on Bottom Layer "NETC43_2_L04_P130" (solid, pour order 130): 20 vertices, not listed, extent 19.545,58.212 24.7,61.1
NetC38_2 on Bottom Layer "NETC38_2_L04_P129" (solid, pour order 129): 24.7,44.85 23.787,44.85 23.42,45.217 23.42,45.817 22.72,46.517 21.095,46.517 21.02,46.592 21.02,47.642 21.595,48.217 23.42,48.217 23.82,47.817 23.82,46.755 23.975,46.6 24.7,46.6
NetC32_2 on Bottom Layer "NETC32_2_L04_P128" (solid, pour order 128): 6.675,37.622 6.47,37.417 5.57,37.417 5.42,37.567 5.42,39.92 5.525,40.025 6.675,40.025
NetC32_2 on Bottom Layer "NETC32_2_L04_P126" (solid, pour order 126): 19 vertices, not listed, extent 16.22,40.525 24.6,45.517
NetC29_2 on Bottom Layer "NETC29_2_L04_P124" (solid, pour order 124): 20 vertices, not listed, extent 16.52,32.4 24.5,43.225
P5V0_USB on Bottom Layer "P5V0_USB_L04_P123" (solid, pour order 123): 27 vertices, not listed, extent 32.92,28.717 82.12,45.117
P5V0_USB on Bottom Layer "P5V0_USB_L04_P118" (solid, pour order 118): 77.42,52.117 76.22,53.317 76.22,54.417 79.32,57.517 81.52,57.517 82.52,56.517 82.52,55.017 79.62,52.117
NetC138_2 on Bottom Layer "NETC138_2_L04_P115" (solid, pour order 115): 110.52,55.117 110.32,54.917 110.32,53.317 110.42,53.217 113.62,53.217 113.82,53.417 113.82,54.917 113.62,55.117
NetC135_2 on Bottom Layer "NETC135_2_L04_P114" (solid, pour order 114): 95.01,54.917 95.01,53.127 95.22,52.917 98.42,52.917 98.62,53.117 98.62,54.517 98.22,54.917
NetC138_2 on Bottom Layer "NETC138_2_L04_P111" (solid, pour order 111): 113.7,39.325 111.95,39.325 111.95,41.647 112.32,42.017 115.82,42.017 116.62,41.217 116.62,37.917 116.32,37.617 114.32,37.617 114.02,37.917 114.02,39.117 113.812,39.325
NetC135_2 on Bottom Layer "NETC135_2_L04_P110" (solid, pour order 110): 20 vertices, not listed, extent 106.25,37.617 113.52,51.217
P5V0_USB on Bottom Layer "P5V0_USB_L04_P106" (solid, pour order 106): 23 vertices, not listed, extent 105.52,6.617 114.72,32.6
P5V0_USB on Bottom Layer "P5V0_USB_L04_P104" (solid, pour order 104): 83.52,-19.983 83.72,-19.783 83.72,-18.783 82.92,-17.983 78.72,-17.983 78.32,-18.383 78.32,-19.783 78.52,-19.983
P1V8 on Bottom Layer "P1V8_L04_P102" (solid, pour order 102): 94.02,5.617 94.22,5.817 94.22,8.617 93.22,9.617 90.742,9.617 90.675,9.55 90.675,6.362 91.42,5.617
GND on Bottom Layer "GND_L04_P100" (solid, pour order 100): 94.65,-19.875 94.021,-19.246 93.288,-19.246 93.288,-18.237 96.674,-18.237 97.32,-18.883 97.32,-19.683 97.12,-19.883
GND on Bottom Layer "GND_L04_P099" (solid, pour order 99): 85.75,-19.975 86.48,-19.246 87.363,-19.246 87.363,-18.895 84.208,-18.895 84.12,-18.983 84.12,-19.745 84.35,-19.975
P2V5 on Bottom Layer "P2V5_L04_P098" (solid, pour order 98): 101.62,-2.383 101.62,-5.283 100.32,-6.583 100.32,-12.783 100.12,-12.983 98.72,-12.983 98.62,-12.883 98.62,-5.983 99.82,-4.783 99.82,-2.383 100.02,-2.183 101.42,-2.183 101.52,-2.283
P2V5 on Bottom Layer "Bottom Layer-P2V5" (solid, pour order 95): 17 vertices, not listed, extent 63.32,45.117 101.62,51.717
P3V3 on Bottom Layer "P3V3_L04_P090" (solid, pour order 90): 81.92,-17.083 79.72,-17.083 79.62,-16.983 79.62,-15.983 79.72,-15.883 81.92,-15.883 82.02,-15.983 82.02,-16.983
NetC97_2 on Bottom Layer "NETC97_2_L04_P088" (solid, pour order 88): 17 vertices, not listed, extent 79.62,-22.583 87.575,-19.546
NetC97_2 on Bottom Layer "NETC97_2_L04_P087" (solid, pour order 87): 17 vertices, not listed, extent 93.075,-22.183 97.32,-19.546
GND on Bottom Layer "GND_L04_P086" (solid, pour order 86): 17 vertices, not listed, extent 88.828,-15.125 91.92,-10.983
NetC91_2 on Bottom Layer "NETC91_2_L04_P085" (solid, pour order 85): 27 vertices, not listed, extent 86.52,-15.125 95.52,-9.583
P1V8 on Bottom Layer "P1V8_L04_P079" (solid, pour order 79): 108.42,-2.783 108.22,-2.983 107.32,-2.983 107.02,-2.683 107.02,-0.983 106.62,-0.583 106.62,1.417 106.82,1.617 108.12,1.617 108.42,1.317
P1V1 on Bottom Layer "P1V1_L04_P078" (solid, pour order 78): 110.22,-2.683 110.02,-2.883 108.92,-2.883 108.72,-2.683 108.72,0.017 108.92,0.217 110.62,0.217 110.82,0.017 110.82,-0.783 110.22,-1.383 110.22,-2.183
P1V1 on Bottom Layer "P1V1_L04_P075" (solid, pour order 75): 89.42,34.317 89.22,34.517 88.42,34.517 88.22,34.317 88.22,33.617 88.42,33.417 89.22,33.417 89.42,33.617
P1V8 on Bottom Layer "P1V8_L04_P074" (solid, pour order 74): 89.42,35.917 89.22,36.117 88.42,36.117 88.22,35.917 88.22,35.217 88.42,35.017 89.22,35.017 89.42,35.217
P3V3 on Bottom Layer "P3V3_L04_P071" (solid, pour order 71): 19 vertices, not listed, extent 43.42,32.417 45.77,39.677
P1V1 on Bottom Layer "P1V1_L04_P070" (solid, pour order 70): 20 vertices, not listed, extent 43.02,40.057 48.43,45.227
P1V1 on Bottom Layer "P1V1_L04_P069" (solid, pour order 69): 40.42,33.317 40.42,31.917 40.62,31.717 41.62,31.717 41.82,31.917 41.82,33.317 41.62,33.517 40.62,33.517
P3V3 on Bottom Layer "P3V3_L04_P056" (solid, pour order 56): 116.82,-12.683 116.72,-12.583 116.72,-6.483 117.12,-6.083 118.22,-6.083 118.52,-6.383 118.52,-12.483 118.32,-12.683
GND on Bottom Layer "GND_L04_P055" (solid, pour order 55): 106.825,-13.963 106.825,-14.878 106.485,-15.218 106.485,-18.035 106.65,-18.2 107.7,-18.2 107.985,-17.915 107.985,-15.49 107.175,-14.68 107.175,-13.963
NetC104_2 on Bottom Layer "NETC104_2_L04_P054" (solid, pour order 54): 105.663,-12.458 104.945,-12.458 103.92,-13.483 100.32,-13.483 98.72,-13.483 98.52,-13.683 98.52,-14.883 98.82,-15.183 105.142,-15.183 105.875,-14.45 105.875,-13.963 105.399,-13.963 105.32,-13.883 105.32,-13.151 105.663,-12.808
GND on Bottom Layer "GND_L04_P053" (solid, pour order 53): 105.663,-11.808 104.108,-11.808 104.075,-11.775 100.775,-11.775 100.52,-12.03 100.52,-12.883 100.72,-13.083 104.02,-13.083 104.945,-12.158 105.663,-12.158
GND on Bottom Layer "GND_L04_P052" (solid, pour order 52): 105.875,-7.55 105.308,-6.983 104.62,-6.983 104.42,-7.183 104.42,-7.983 104.52,-8.083 105.347,-8.083 105.525,-8.261 105.875,-8.261
GND on Bottom Layer "GND_L04_P051" (solid, pour order 51): 111.588,-9.542 112.793,-9.542 113.275,-9.06 113.278,-9.063 114.9,-9.063 114.9,-7.163 114.62,-6.883 112.042,-6.883 111.375,-7.55 111.375,-9.542
GND on Bottom Layer "GND_L04_P050" (solid, pour order 50): 111.588,-11.15 111.588,-12.158 112.708,-12.158 113.433,-12.883 116.217,-12.883 116.475,-12.625 116.475,-11.038 116.22,-10.783 112.442,-10.783 112.075,-11.15
GND on Bottom Layer "GND_L04_P049" (solid, pour order 49): 17 vertices, not listed, extent 107.22,-8.038 110.02,-3.183
NetC102_2 on Bottom Layer "NETC102_2_L04_P048" (solid, pour order 48): 107.175,-8.038 107.175,-6.938 106.72,-6.483 106.72,-1.183 106.52,-0.983 105.22,-0.983 105.02,-1.183 105.02,-6.395 106.175,-7.55 106.175,-8.038
NetC100_2 on Bottom Layer "NETC100_2_L04_P047" (solid, pour order 47): 110.075,-8.038 111.075,-8.038 111.075,-7.528 112.52,-6.083 112.52,-1.283 112.22,-0.983 110.82,-0.983 110.52,-1.283 110.52,-6.383 110.075,-6.828
NetC110_2 on Bottom Layer "NETC110_2_L04_P046" (solid, pour order 46): 111.588,-12.808 112.02,-13.241 112.02,-13.683 112.004,-13.683 111.725,-13.963 111.375,-13.963 111.375,-14.45 111.808,-14.883 118.32,-14.883 118.62,-14.583 118.62,-13.483 118.32,-13.183 113.32,-13.183 112.595,-12.458 111.588,-12.458
P3V3 on Bottom Layer "P3V3_L04_P043" (solid, pour order 43): 33.82,14.417 33.32,14.917 33.32,15.617 33.93,16.227 40.43,16.227 40.52,16.137 40.52,14.017 40.32,13.817 38.92,13.817 38.32,14.417 36.72,14.417
P3V3 on Bottom Layer "Bottom Layer-P3V3" (solid, pour order 40): 17 vertices, not listed, extent 46.17,11.417 54.82,13.167
P5V0_SMARC on Bottom Layer "P5V0_SMARC_L04_P029" (solid, pour order 29): 17 vertices, not listed, extent 62.32,-31.983 68.92,-12.683
P5V0_SMARC on Bottom Layer "P5V0_SMARC_L04_P026" (solid, pour order 26): 97.72,-14.283 97.32,-14.683 96.22,-14.683 95.92,-14.383 95.92,-11.583 95.92,-10.183 96.32,-9.783 97.32,-9.783 97.72,-10.183
P12V0_KASLI on Bottom Layer "P12V0_KASLI_L04_P022" (solid, pour order 22): 91.499,19.137 91.72,18.917 91.72,16.617 90.42,15.317 86.42,15.317 85.72,16.017 85.72,18.017 85.92,18.217 87.92,18.217 88.841,19.137
P12V0_KASLI on Bottom Layer "P12V0_KASLI_L04_P020" (solid, pour order 20): 21 vertices, not listed, extent 107.475,-21 115.82,-14.45
P12V0_KASLI on Bottom Layer "P12V0_KASLI_L04_P019" (solid, pour order 19): 20 vertices, not listed, extent 89.175,-30.483 96.32,-21.538
GND on Top Layer "GND_L01_P202" (solid, pour order 202): 112.3,-24.2 112,-23.9 111.601,-23.9 111,-24.501 111,-27.1 111.2,-27.3 112,-27.3 112.3,-27
GND on Top Layer "GND_L01_P201" (solid, pour order 201): 91.741,-10.983 89.12,-10.983 88.828,-11.276 88.828,-11.935 89.042,-12.15 91.7,-12.15 91.95,-11.9 91.95,-11.192
GND on Top Layer "GND_L01_P198" (solid, pour order 198): 63.845,-31.883 63.845,-23.039 64.275,-22.608 65.07,-22.608 65.07,-19.333 64.62,-18.883 62.02,-18.883 61.52,-19.383 61.52,-31.383 62.02,-31.883
GND on Top Layer "GND_L01_P194" (solid, pour order 194): 37.84,7.422 37.84,8.637 38.12,8.917 39.02,8.917 39.32,9.217 39.32,9.617 39.22,9.717 36.72,9.717 36.54,9.537 36.54,7.422
GND on Top Layer "GND_L01_P195" (solid, pour order 195): 37.84,6.158 37.84,3.037 37.12,2.317 34.62,2.317 34.42,2.517 34.42,3.317 34.72,3.617 36.12,3.617 36.54,4.037 36.54,6.158
GND on Top Layer "GND_L01_P193" (solid, pour order 193): 55.34,6.758 55.34,8.597 55.22,8.717 49.52,8.717 48.54,7.737 48.54,6.758
GND on Top Layer "GND_L01_P188" (solid, pour order 188): 76.32,-24.183 76.92,-23.583 77.32,-23.583 77.42,-23.683 77.42,-25.583 76.82,-26.183 76.42,-26.183 76.32,-26.083 76.32,-24.583
GND on Top Layer "GND_L01_P187" (solid, pour order 187): 76.32,-9.383 76.42,-9.283 76.82,-9.283 77.02,-9.483 77.02,-22.783 76.72,-23.083 76.52,-23.083 76.32,-22.883
GND on Top Layer "GND_L01_P185" (solid, pour order 185): 60.13,15.207 57.71,15.207 57.71,16.207 58.42,16.917 59.92,16.917 60.17,16.667 60.17,15.247
GND on Top Layer "GND_L01_P184" (solid, pour order 184): 34.73,16.507 33.11,16.507 33.11,16.627 32.62,17.117 31.62,17.117 31.17,16.667 31.17,15.917 30.67,15.417 29.17,15.417 28.67,15.917 28.67,17.917 28.92,18.167 33.69,18.167 34.73,17.127
P3V3 on Top Layer "P3V3_L01_P180" (solid, pour order 180): 17.82,31.617 17.62,31.417 17.62,30.617 17.82,30.417 19.22,30.417 19.42,30.617 19.42,31.417 19.22,31.617
P2V5 on Top Layer "P2V5_L01_P178" (solid, pour order 178): 17 vertices, not listed, extent 57.61,43.907 65.32,51.017
P1V8 on Top Layer "P1V8_L01_P150" (solid, pour order 150): 41.92,33.317 41.92,32.517 43.82,30.617 47.72,30.617 50.72,33.617 53.52,33.617 53.72,33.817 53.72,34.617 53.52,34.817 49.92,34.817 47.32,32.217 44.22,32.217 42.92,33.517 42.12,33.517
SHIELD on Top Layer "SHIELD_L01_P137" (solid, pour order 137): 35 vertices, not listed, extent 0.42,0.417 15.92,61.517
NetC41_1 on Top Layer "NETC41_1_L01_P145" (solid, pour order 145): 16.42,58.817 16.62,58.617 17.52,58.617 17.62,58.717 17.62,60.717 17.52,60.817 16.52,60.817 16.42,60.717
NetC42_2 on Top Layer "NETC42_2_L01_P142" (solid, pour order 142): 18.645,49.792 16.595,49.792 16.32,49.517 16.32,48.317 16.42,48.217 18.22,48.217 18.645,48.642
P5V0_USB on Top Layer "Top Layer-P5V0_USB 1" (solid, pour order 135): 33.12,58.317 55.52,58.317 56.52,59.317 76.92,59.317 78.87,57.367 82.12,54.117 83.62,54.117 83.62,55.117 83.12,55.617 83.12,56.417 81.82,57.717 78.52,61.017 33.72,61.017 32.82,60.117 32.82,58.617
NetC38_2 on Top Layer "NETC38_2_L01_P132" (solid, pour order 132): 19.245,56.742 19.02,56.517 19.02,55.417 18.72,55.117 18.22,55.117 18.02,54.917 18.02,54.526 18.122,54.425 19.628,54.425 20.395,55.192 20.395,56.742
NetC38_2 on Top Layer "NETC38_2_L01_P131" (solid, pour order 131): 17 vertices, not listed, extent 18.02,46.817 23.82,51.992
NetC32_2 on Top Layer "NETC32_2_L01_P127" (solid, pour order 127): 17 vertices, not listed, extent 5.47,37.467 17.67,45.467
P5V0_USB on Top Layer "Top Layer-P5V0_USB" (solid, pour order 122): 19 vertices, not listed, extent 75.72,33.517 82.02,55.217
NetC138_2 on Top Layer "NETC138_2_L01_P116" (solid, pour order 116): 18 vertices, not listed, extent 109.82,40.517 113.92,55.317
NetC135_2 on Top Layer "NETC135_2_L01_P113" (solid, pour order 113): 21 vertices, not listed, extent 97.02,50.017 115.72,57.217
P1V1 on Top Layer "P1V1_L01_P108" (solid, pour order 108): 43.02,44.717 43.22,44.917 43.92,44.917 44.12,44.717 44.12,44.017 43.92,43.817 43.22,43.817 43.02,44.017
P5V0_USB on Top Layer "P5V0_USB_L01_P107" (solid, pour order 107): 106.02,29.717 105.52,30.217 105.52,31.717 106.52,32.717 106.52,41.017 104.92,42.617 96.02,42.617 94.72,43.917 106.52,43.917 108.72,41.717 108.72,29.917 108.52,29.717
P5V0_USB on Top Layer "P5V0_USB_L01_P105" (solid, pour order 105): 19 vertices, not listed, extent 77.82,-20.183 108.82,8.517
P1V8 on Top Layer "P1V8_L01_P103" (solid, pour order 103): 22 vertices, not listed, extent 79.02,-1.683 94.22,9.317
P2V5 on Top Layer "P2V5_L01_P096" (solid, pour order 96): 21 vertices, not listed, extent 99.52,-4.283 113.82,46.517
P1V1 on Top Layer "P1V1_L01_P093" (solid, pour order 93): 88.42,34.517 88.22,34.317 88.22,33.617 88.42,33.417 89.22,33.417 89.42,33.617 89.42,34.317 89.22,34.517
P1V8 on Top Layer "P1V8_L01_P092" (solid, pour order 92): 89.22,35.017 89.42,35.217 89.42,35.917 89.22,36.117 88.42,36.117 88.22,35.917 88.22,35.217 88.42,35.017
NetC97_2 on Top Layer "NETC97_2_L01_P089" (solid, pour order 89): 97.32,-22.183 96.32,-22.183 95.52,-21.383 82.22,-21.383 81.72,-21.883 80.02,-21.883 79.72,-21.583 79.72,-20.483 80.02,-20.183 97.12,-20.183 97.32,-20.383
P3V3 on Top Layer "P3V3_L01_P084" (solid, pour order 84): 43.52,34.017 43.52,33.217 44.32,32.417 44.62,32.417 44.82,32.617 44.82,34.417 43.92,35.317 43.52,35.317 43.514,35.322
P1V1 on Top Layer "P1V1_L01_P083" (solid, pour order 83): 41.72,33.417 41.62,33.517 40.62,33.517 40.52,33.417 40.52,31.817 40.62,31.717 41.52,31.717 41.72,31.917
P3V3 on Top Layer "P3V3_L01_P073" (solid, pour order 73): 79.62,-16.983 79.92,-17.283 81.92,-17.283 82.22,-16.983 82.22,-15.383 88.82,-8.783 118.22,-8.783 118.72,-8.283 118.72,-6.283 118.32,-5.883 116.62,-5.883 88.32,-5.883 79.62,-14.583
P3V3 on Top Layer "P3V3_L01_P041" (solid, pour order 41): 20 vertices, not listed, extent 31.62,9.667 48.67,16.617
P3V3 on Top Layer "P3V3_L01_P038" (solid, pour order 38): 56.42,15.667 57.16,14.927 60.13,14.927 60.17,14.887 60.17,13.667 59.842,13.338 54.842,13.338 53.937,12.434 49.903,12.434 49.67,12.667 49.67,13.167 50.037,13.533 50.79,13.533 50.79,15.287 51.17,15.667
P5V0_SMARC on Top Layer "P5V0_SMARC_L01_P035" (solid, pour order 35): 97.52,-11.983 96.02,-11.983 95.82,-11.783 95.82,-10.483 96.42,-9.883 97.22,-9.883 97.72,-10.383 97.72,-11.783
P5V0_SMARC on Top Layer "P5V0_SMARC_L01_P034" (solid, pour order 34): 96.12,-13.483 95.82,-13.783 95.82,-14.083 96.42,-14.683 97.22,-14.683 97.72,-14.183 97.72,-13.783 97.42,-13.483
P5V0_SMARC on Top Layer "P5V0_SMARC_L01_P030" (solid, pour order 30): 24 vertices, not listed, extent 62.32,-31.883 69.72,-13.183
P12V0_KASLI on Top Layer "P12V0_KASLI_L01_P025" (solid, pour order 25): 87.82,17.317 86.62,16.117 86.62,15.517 86.82,15.317 90.32,15.317 90.52,15.517 90.52,17.017 90.22,17.317
P12V0_KASLI on Top Layer "P12V0_KASLI_L01_P024" (solid, pour order 24): 92.92,-28.383 92.12,-29.183 92.12,-30.183 92.42,-30.483 94.12,-30.483 94.82,-29.783 94.82,-29.283 93.92,-28.383
P12V0_KASLI on Top Layer "P12V0_KASLI_L01_P023" (solid, pour order 23): 114.82,-20.783 115.62,-19.983 115.62,-18.483 114.92,-17.783 113.02,-17.783 112.32,-18.483 112.32,-19.083 114.02,-20.783

## Other copper
Layer 1:
  pour cut-out: 72.92,7.917 72.42,8.417

## Silkscreen, mask and mechanical layers (free items; w line width, h text height)
Top Overlay:
  lines w0.254: 34.94,14.633 34.94,51.917 56.94,51.917 56.94,14.633
Bottom Overlay:
  lines w0.15: 41.77,39.817 43.37,40.117 ; 79.97,3.617 80.67,3.217 ; 84.47,0.317 85.77,-0.783
Mechanical 1:
  the board outline again, w0.152

## Text inside footprints (layer, text, board x,y; h text height)
CON1: Mechanical 8 "1" at 9.081,2.862 h0.25 r270; Mechanical 8 "3" at 9.081,3.493 h0.25 r270; Mechanical 8 "5" at 9.081,4.093 h0.25 r270; Mechanical 8 "7" at 9.081,4.687 h0.25 r270; Mechanical 8 "9" at 9.081,5.292 h0.25 r270; Mechanical 8 "11" at 9.081,5.925 h0.25 r270; Mechanical 8 "13" at 9.081,6.555 h0.25 r270; Mechanical 8 "15" at 9.081,7.155 h0.25 r270; Mechanical 8 "17" at 9.081,7.75 h0.25 r270; Mechanical 8 "19" at 9.081,8.359 h0.25 r270; Mechanical 8 "18" at 8.072,9.31 h0.25 r270; Mechanical 8 "4" at 8.072,2.1 h0.25 r270; Mechanical 8 "2" at 5.986,2.892 h0.25 r270; Mechanical 8 "6" at 8.072,4.865 h0.25 r270; Mechanical 8 "10" at 5.986,5.12 h0.25 r270; Mechanical 8 "12" at 5.986,6.188 h0.25 r270; Mechanical 8 "14" at 5.986,7.262 h0.25 r270; Mechanical 8 "16" at 8.072,6.262 h0.25 r270; Mechanical 8 "20" at 5.986,8.472 h0.25 r270; Mechanical 8 "8" at 5.986,3.987 h0.25 r270
CON2: Top Overlay "B" at 9.36,42.863 h1 r270; Top Overlay "1" at 7.61,40.935 h1 r270; Top Overlay "4" at 7.61,34.102 h1 r270; Mechanical 14 "B" at 9.36,42.863 h1 r270; Mechanical 14 "1" at 7.61,40.935 h1 r270; Mechanical 14 "4" at 7.61,34.102 h1 r270
IC18: Drill Drawing "soldermask defined pads,  / do not increase/decrease  / soldermask aperture in this area" at 76.7,-7.447 h1.2 r180
IC19: Drill Drawing "soldermask defined pads,  / do not increase/decrease  / soldermask aperture in this area" at 95,-0.359 h1.2 r180
J2: Top Overlay "1" at 114.28,-35.605 h1; Mechanical 14 "1" at 114.28,-35.605 h1
SW1: Top Overlay "ON" at 78.76,-33.605 h1; Top Overlay "2" at 80.41,-37.381 h1; Top Overlay "4" at 82.95,-37.381 h1; Top Overlay "3" at 81.68,-37.381 h1; Top Overlay "1" at 79.14,-37.381 h1; Mechanical 14 "1" at 79.141,-37.376 h1; Mechanical 14 "ON" at 78.76,-33.595 h1; Mechanical 14 "3" at 81.681,-37.376 h1; Mechanical 14 "4" at 82.951,-37.376 h1; Mechanical 14 "2" at 80.411,-37.376 h1